# Altium PCB SJ2088POE.PcbDoc (part 1 of 6) (continued)
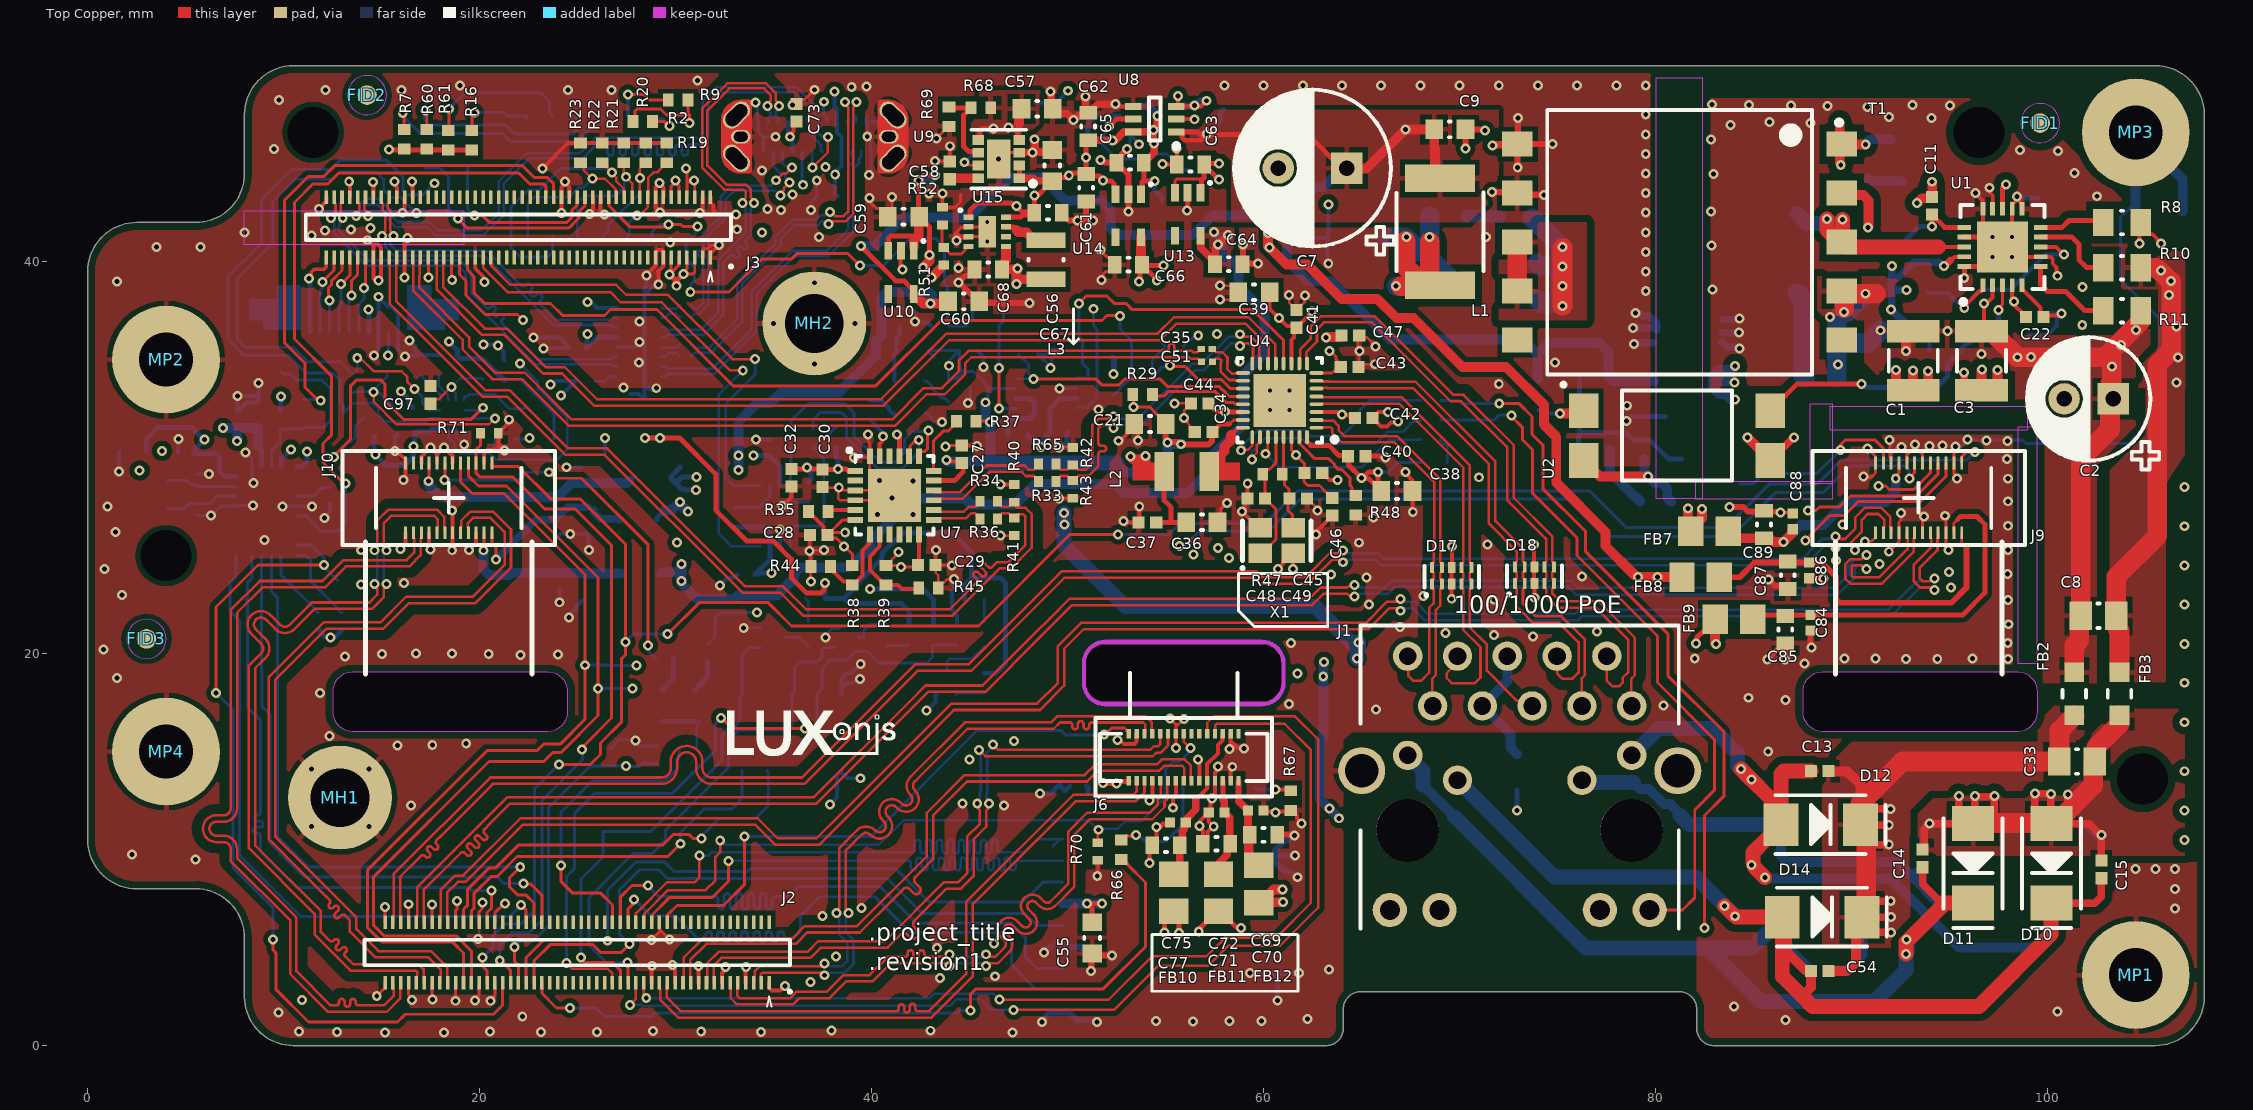
[diagram p0: Top Copper view]
## Components (designator, comment, footprint, x,y, rotation, side; value= is the part's Value field where it differs from the comment) (continued)
J3 "BW2098_B Receptacle" DF40HC-3.0-100DS-0.4V_minpad 21.975,41.75 r270 top locked
J4 "SFV10R-2STE1HLF Top Contact" SFV10R-2STE1HLF 13.6,36.9 r0 bottom
J5 "20021121-00010T1LF" 20021121-00010T1LF 35.935,15.975 r0 bottom
J6 "24-5804-030-000-829+" A12N02A-201_1.6mmbrd_MatedModule 55.923,14.712 r0 top locked
J7 "uSD push/pull" 104031-0811 55.161,7.427 r90 bottom locked
J9 "BBR43-24KB533 for camera module TG161B-201" "TG161B-201 / AN01V32 - BOARD WRAP (7MM SETBACK) MINPADS" 93.423,27.95 r0 top
J10 "BBR43-24KB533 for camera module TG161B-201" "TG161B-201 / AN01V32 - BOARD WRAP (7MM SETBACK) MINPADS" 18.423,27.95 r0 top
J14 "USB3.1 TYPEC 24P SMD Vertical" CX80B1-24P 37.1,46.378 r180 bottom locked
L1 "1uH 2.9A" DO1608C-102MLX 69,41.52 r90 top
L2 "2.2uH 0.61A 97mR" LQH32NH2R2J23L 56.075,29.3 r180 top
L3 "1uH, 3.2A, 20%" DFE252012P-1R0M=P2 48.9,40.1 r270 top
MH1 "M2, 3MM steel spacer on M2.5 mounting pad" 9774030243R 12.875,12.65 r225 top
MH2 "M2, 3MM steel spacer on M2.5 mounting pad" 9774030243R 37.075,36.85 r0 top
MP1 "MOUNTING_HOLE_M2.5" MOUNTING_HOLE_M2.5 104.5,3.6 r180 top locked
MP2 "MOUNTING_HOLE_M2.5" MOUNTING_HOLE_M2.5 4,35 r180 top locked
MP3 "MOUNTING_HOLE_M2.5" MOUNTING_HOLE_M2.5 104.5,46.6 r180 top locked
MP4 "MOUNTING_HOLE_M2.5" MOUNTING_HOLE_M2.5 4,15 r180 top locked
OS1 "25MHz OSC" ASDMB-25.000MHZ-LC-T 41.95,33.075 r270 bottom
Q1 "PREBIAS'd DDTC114YCA-7-F" DDTC114YCA-7-F 53.325,34.15 r90 bottom
Q2 "RE1C002UNTCL" RE1C002UNTCL 39.045,20.841 r90 bottom
Q3 "RE1C002UNTCL" RE1C002UNTCL 43.8,18.525 r180 bottom
Q4 "RE1C002UNTCL" RE1C002UNTCL 34.94,20.825 r90 bottom
R1 "10K 0402" RESC0402(1005)_N 43.15,20.95 r270 bottom
R2 "1K 0402" RESC0402(1005)_N 28.32,47.15 r180 top
R3 "10R 0603" RESC0603(1608)_N 90.87,43.442 r270 bottom
R4 "18K 0603" RESC0603(1608)_N 88.443,34.082 r0 bottom
R5 "6.8R 0805" RESC0805(2012)_N 69.423,42.325 r180 bottom
R6 "10K 0402" RESC0402(1005)_N 33.01,26.973 r270 bottom
R7 "1K 0402" RESC0402(1005)_N 16.15,46.25 r270 top
R8 "88.7K 0805" RESC0805(2012)_N 103.8,42 r180 top
R9 "1K 0402" RESC0402(1005)_N 30.124,48.247 r0 top
R10 "48.7R 0805" RESC0805(2012)_N 103.8,39.7 r180 top
R11 "24.3k 0805" RESC0805(2012)_N 103.8,37.5 r180 top
R12 "4.99k 0603" RESC0603(1608)_N 98.25,36.25 r0 bottom
R13 "0.62R 0805" RESC0805(2012)_N 92.91,38.635 r180 bottom
R14 "36.5k 0603" RESC0603(1608)_N 76.925,34 r0 bottom
R15 "12.1k 0603" RESC0603(1608)_N 76.9,32.25 r180 bottom
R16 "1K 0402" RESC0402(1005)_N 19.6,46.2 r270 top
R17 "0R 0603" RESC0603(1608)_N 76.875,30.4 r0 bottom
R18 "0R 0603" RESC0603(1608)_N 94.775,35.475 r0 bottom
R19 "10K 0402" RESC0402(1005)_N 29.55,45.55 r90 top
R20 "10K 0402" RESC0402(1005)_N 28.475,45.55 r90 top
R21 "10K 0402" RESC0402(1005)_N 27.35,45.55 r90 top
R22 "10K 0402" RESC0402(1005)_N 26.25,45.55 r90 top
R23 "10K 0402" RESC0402(1005)_N 25.15,45.55 r90 top
R24 "2.05k 0603" RESC0603(1608)_N 74.025,33.225 r90 bottom
R25 "10K 0402" RESC0402(1005)_N 36.925,28.225 r270 bottom
R26 "10K 0402" RESC0402(1005)_N 38.175,31.025 r90 bottom
R27 "0R 0603" RESC0603(1608)_N 45.95,37.734 r0 bottom
R28 "10K 0402" RESC0402(1005)_N 55.45,35.675 r180 bottom
R29 "10K 0402" RESC0402(1005)_N 53.825,33.225 r0 top
R30 "10K 0402" RESC0402(1005)_N 43.925,33.35 r90 bottom
R31 "10K 0402" RESC0402(1005)_N 16.975,34.725 r90 bottom
R32 "10K 0402" RESC0402(1005)_N 18.05,34.7 r90 bottom
R33 "22R 0402" RESC0402(1005)_L 48.963,28.777 r180 top
R34 "22R 0402" RESC0402(1005)_L 45.975,27.775 r180 top
R35 "10K 0402" RESC0402(1005)_N 37.275,27.25 r0 top
R36 "22R 0402" RESC0402(1005)_L 45.975,26.875 r180 top
R37 "10K 0402" RESC0402(1005)_N 44.825,31.86 r180 top
R38 "10K 0402" RESC0402(1005)_N 39.013,24.002 r270 top
R39 "10K 0402" RESC0402(1005)_N 40.738,24.002 r270 top
R40 "49.9R 0402" RESC0402(1005)_L 47.275,28.175 r90 top
R41 "49.9R 0402" RESC0402(1005)_L 47.275,26.475 r90 top
R42 "49.9R 0402" RESC0402(1005)_L 50.263,30.077 r270 top
R43 "49.9R 0402" RESC0402(1005)_L 50.263,28.377 r90 top
R44 "10K 0402" RESC0402(1005)_N 37.4,24.45 r180 top
R45 "10K 0402" RESC0402(1005)_N 42.9,23.35 r0 top
R46 "10K 0402" RESC0402(1005)_N 50.2,35.55 r0 bottom
R47 "1M 0402" RESC0402(1005)_N 60.456,29.16 r0 top
R48 "2.49K 0402" RESC0402(1005)_N 64.7,27.575 r90 top
R49 "10K 0402" RESC0402(1005)_N 48,35.275 r180 bottom
R50 "10K 0402" RESC0402(1005)_N 47.45,31.175 r0 bottom
R51 "53.6k 0402" RESC0402(1005)_L 43.675,40.275 r270 top
R52 "39.2k 0402" RESC0402(1005)_L 43.614,42.326 r270 top
R53 "1K 0402" RESC0402(1005)_N 41.9,20.925 r90 bottom
R54 "1K 0402" RESC0402(1005)_N 45.75,18.5 r90 bottom
R55 "1K 0402" RESC0402(1005)_N 45.25,22.75 r180 bottom
R56 "1K 0402" RESC0402(1005)_N 37.125,22.825 r0 bottom
R57 "470R 0402" RESC0402(1005)_N 68.525,30.925 r0 bottom
R58 "470R 0402" RESC0402(1005)_N 68.525,31.925 r0 bottom
R59 "470R 0402" RESC0402(1005)_N 68.525,32.925 r0 bottom
R60 "1K 0402" RESC0402(1005)_N 17.3,46.25 r270 top
R61 "1K 0402" RESC0402(1005)_N 18.4,46.2 r270 top
R62 "10K 0402" RESC0402(1005)_N 44.35,20.95 r90 bottom
R63 "10K 0402" RESC0402(1005)_N 43.493,36.75 r180 bottom
R64 "22R 0402" RESC0402(1005)_N 39.927,32.417 r90 bottom
R65 "22R 0402" RESC0402(1005)_L 48.963,29.677 r180 top
R66 "0R 0402" RESC0402(1005)_N 52.736,9.997 r270 top
R67 "0R 0402" RESC0402(1005)_N 61.386,12.501 r90 top
R68 "121K 0402" RESC0402(1005)_N 45.575,47.85 r180 top
R69 "39.2k 0402" RESC0402(1005)_N 43.95,47.4 r270 top
R70 "10K 0402" RESC0402(1005)_L 51.539,9.904 r270 top
R71 "10K 0402" RESC0402(1005)_L 20.5,31.25 r0 top
R72 "0R 0402" RESC0402(1005)_L 29.45,19.725 r0 bottom
R75 "0R 0603" RESC0603(1608)_N 29.611,17.342 r90 bottom
R77 "0R 0603" RESC0603(1608)_N 31.236,17.333 r90 bottom
R80 "10K 0402" RESC0402(1005)_L 30.631,15.218 r0 bottom
R81 "10K 0402" RESC0402(1005)_L 29.296,14.818 r90 bottom
R82 "0R 0402" RESC0402(1005)_L 31.625,20.05 r270 bottom
R83 "10K 0402" RESC0402(1005)_L 9.825,31.95 r90 bottom
R84 "0R 0603" RESC0603(1608)_L 11,32.25 r90 bottom
R85 "2.2K 0402" RESC0402(1005)_L 12.975,21.65 r90 bottom
R86 "2.2K 0402" RESC0402(1005)_L 11.775,21.65 r90 bottom
R183 "10K 0402" RESC0402(1005)_N 21.264,34.49 r270 bottom
R185 "10K 0402" RESC0402(1005)_N 25.375,33.9 r180 bottom
R186 "10K 0402" RESC0402(1005)_N 21.284,31.111 r0 bottom
R187 "1.8MR 0402" RESC0402(1005)_N 19.058,34.552 r270 bottom
R190 "1.8MR 0402" RESC0402(1005)_N 20.164,34.49 r270 bottom
R213 "10K 0402" RESC0402(1005)_N 14.125,31.15 r0 bottom
R214 "10K 0402" RESC0402(1005)_N 16.079,32.572 r0 bottom
RZ1 "0R 0402" RESC0402(1005)_N 35.875,30.975 r90 bottom
RZ2 "0R 0402" RESC0402(1005)_N 37.014,30.975 r90 bottom
RZ28 "10K 0402" RESC0402(1005)_N 13.55,32.225 r180 bottom
RZ29 "10K 0402" RESC0402(1005)_N 13.505,33.78 r90 bottom
SW1 "A6H-6102 DIP SW" A6H-610x 25.625,44.35 r90 bottom locked
T1 "749119950" 749119950 81.225,41 r270 top locked
TP1 "TP100_200_NS" TP100_200_NS 17.2,44.775 r90 bottom
TP2 "TP100_200_NS" TP100_200_NS 19.375,44.825 r90 bottom
TP3 "TP100_200_NS" TP100_200_NS 57.95,47.775 r90 bottom
TP4 "TP100_200_NS" TP100_200_NS 47.389,42.824 r90 bottom
TP5 "TP100_200_NS" TP100_200_NS 103.75,35.75 r180 bottom
TP6 "TP100_200_NS" TP100_200_NS 67.246,46.746 r90 bottom
TP8 "TP100_200_NS" TP100_200_NS 90.5,40.5 r90 bottom
TP9 "TP100_200_NS" TP100_200_NS 74.75,46 r90 bottom
TP10 "TP100_200_NS" TP100_200_NS 95.752,37.627 r180 bottom
TP11 "TP100_200_NS" TP100_200_NS 100.707,37.385 r0 bottom
TP12 "TP100_200_NS" TP100_200_NS 92,46.25 r90 bottom
TP13 "TP100_200_NS" TP100_200_NS 99.5,43.25 r180 bottom
TP14 "TP100_200_NS" TP100_200_NS 45.559,45.755 r90 bottom
TP15 "TP100_200_NS" TP100_200_NS 54.825,43.131 r90 bottom
TP16 "TP100_200_NS" TP100_200_NS 43.075,38.3 r270 bottom
TP17 "TP100_200_NS" TP100_200_NS 56.234,44.67 r90 bottom
TP18 "TP100_200_NS" TP100_200_NS 84.317,28.664 r90 bottom
TP19 "TP100_200_NS" TP100_200_NS 12.75,26.25 r270 bottom
TP20 "TP100_200_NS" TP100_200_NS 48.339,48.134 r0 bottom
TP21 "TP100_200_NS" TP100_200_NS 51,46.25 r90 bottom
TP22 "TP100_200_NS" TP100_200_NS 59.388,38.088 r180 bottom
TP23 "TP100_200_NS" TP100_200_NS 54.945,39.825 r180 bottom
TP24 "TP100_200_NS" TP100_200_NS 47.425,39.65 r0 bottom
TP25 "TP100_200_NS" TP100_200_NS 12.75,23.75 r270 bottom
TP26 "TP100_200_NS" TP100_200_NS 9.825,34.425 r0 bottom locked
TP27 "TP100_200_NS" TP100_200_NS 8.05,22.775 r180 bottom
TP28 "TP100_200_NS" TP100_200_NS 10.803,6.659 r180 bottom
TP29 "TP100_200_NS" TP100_200_NS 9.675,21.075 r180 bottom
TP30 "TP100_200_NS" TP100_200_NS 8.9,19 r180 bottom
TP40 "TP100_200_NS" TP100_200_NS 23.8,30.95 r0 bottom
TP41 "TP100_200_NS" TP100_200_NS 25.475,38 r180 bottom
TP42 "TP100_200_NS" TP100_200_NS 22.35,32.575 r180 bottom
TP43 "TP100_200_NS" TP100_200_NS 15.128,34.194 r180 bottom
TP44 "TP100_200_NS" TP100_200_NS 12.571,30.038 r180 bottom
U1 "SI3404-A-GM" SI3404-A-GM 97.7,40.75 r90 top
U2 "VO618A-3X017T" VO618A-3X017T 81.098,31.125 r0 top
U3 "TXS0102DCU" TXS0102DCUR 35.073,27.025 r90 bottom
U4 "RTL8111HS-CG" RTL8111HX-CG 60.823,32.925 r180 top
U5 "TLV431" TLV431BCDBZR 80.375,31.025 r90 bottom
U6 "TXS0102DCU" TXS0102DCUR 48.925,33.275 r180 bottom
U7 "SI52142-A01AGM" SI52142-A01AGM 41.163,28.077 r0 top
U8 "1.5A ideal diode" LM66100DCKR 54.445,47.275 r180 top
U9 "TPS82130SIL" TPS82130SIL 46.485,45.233 r180 top
U10 "TLV70018DCK" TLV70018DCK 41.5,39.45 r180 top
U11 "1.5A ideal diode" LM66100DCKR 54.445,47.275 r180 bottom
U12 "BNO085" BNO085 9.125,27.288 r180 bottom
U13 "TLV70012DCK" TLV70012DCK 56.125,42.425 r180 top
U14 "TLV70028DCK" TLV70028DCK 53.1,42.35 r180 top
U15 "TLV62080DSG" TLV62080DSG 45.9,41.525 r0 top
U61 "USB Type-C Switch" HD3SS3212RKSR 28.15,35.898 r0 bottom
U62 "USB Type-C Port Control" TUSB321RWBR 18.615,32.215 r270 bottom
X1 "25MHz 18pF 2.50x2.00mm" ECS-250-18-36B-CKY-TR 60.673,25.775 r0 top
Y1 "ABS06-127-32.768KHZ-T" ABS06-127-32.768KHZ-T 4.043,28.099 r270 bottom

## Footprints (in the part's own frame and the unit in brackets; to place one, negate y for a bottom-side part, rotate by r counter-clockwise, add the part's x,y. Pads: shape width x height; smd on the part's side, far side on the other; paste and mask are expansions set on the pad)
1N4148W-7-F [mm] "SOD123, 2-Leads, Body 2.7x1.55mm, Height 1.45mm"
  rect 0.9x0.95 smd: 1(-1.575,0) 2(1.575,0)
  silkscreen extent -2.4,-0.87 0,0.87, body extent -1.35,-0.77 1.35,0.77, height 1.45
104031-0811 [mm] "10 (8 + 2) Position Card Connector Secure Digital - microSD™ Surface Mount, Right Angle Gold"
  rect 0.85x1.1 smd: 1(3.113,-5.412) 3(0.913,-5.412) 4(-0.188,-5.412) 5(-1.288,-5.412) 6(-2.387,-5.412) 7(-3.487,-5.412)
  rect 0.875x1.1 smd: 2(2.013,-5.412)
  rect 0.75x1.1 smd: 8(-4.537,-5.412)
  rect 1.2x1 smd: 9(5.748,0.738) 10(5.748,4.438)
  rect 1.9x1.35 smd: 11(2.248,5.413) 12(-3.722,5.413)
  rect 1.17x1.8 smd: 13(-5.747,-5.062)
  rect 1.55x1.35 smd: 14(5.573,-5.287)
  body extent -5.95,-5.65 6,5.75, height 1.44
20021121-00010T1LF [mm] "Connector Header Surface Mount 10 position 0.050\" (1.27mm)   Contact length: 0.120\" (3.05mm)"
  rect 0.76x2.4 smd: 1(-2.54,-1.95) 2(-2.54,1.95) 3(-1.27,-1.95) 4(-1.27,1.95) 5(0,-1.95) 6(0,1.95) 7(1.27,-1.95) 8(1.27,1.95) 9(2.54,-1.95) 10(2.54,1.95)
  body extent -3.18,-2.75 3.17,2.75, height 4.55
742792040 [mm] "Chip Inductor, 2-Leads, Body 2.0x1.2mm"
  rect 1x1 smd: 1(-1.1,0) 2(1.1,0)
  silkscreen extent -0.2,-0.6 0.2,0.6, body extent -1,-0.6 1,0.6, height 0.89
749119950 [mm] "SMD, 10-Leads, Body 13.5x14.0mm (max), Pitch 2.48mm, IPC Medium Density"
  rect 1.27x1.55 smd: 1(-5,8.275) 2(-2.5,8.275) 3(0,8.275) 4(2.5,8.275) 5(5,8.275) 6(5,-8.275) 7(2.5,-8.275) 8(0,-8.275) 9(-2.5,-8.275) 10(-5,-8.275)
  silkscreen extent -6.75,-6.75 6.75,8.25, body extent -6.75,-8.88 6.75,8.87, height 12.6
2508056017Y2 [mm] "2508056017Y2 Chip Inductor, 2-Leads, Body 2.00x1.25mm"
  rect 1.3x1.5 smd: 1(-0.95,0) 2(0.95,0)
  body extent -1.1,-0.72 1.1,0.72, height 1.1
9774030243R [mm] "STANDOFF_M2X0.4_3MM with no pad on bottom of PCB"
  round 5.3 / inner round 2.7 / far side round 2.7 hole 3 mask+0.05: 1(0,0)
  body extent -2.17,-2.17 2.18,2.17, height 3.05
A6H-610x [mm] "DIP Sw, Std/SealTape Body 8.85x4.50mm, Pitch 1.27mm, IPC High Density"
  rect 1.25x0.76 smd: 1(-3.075,3.175) 2(-3.075,1.905) 3(-3.075,0.635) 4(-3.075,-0.635) 5(-3.075,-1.905) 6(-3.075,-3.175) 7(3.075,-3.175) 8(3.075,-1.905) 9(3.075,-0.635) 10(3.075,0.635) 11(3.075,1.905) 12(3.075,3.175)
  silkscreen extent -3.12,-4.55 2.02,4.55, body extent -3.35,-4.42 3.35,4.42, height 1.57
A12N02A-201_1.6mmbrd_MatedModule [mm] "connector: 24-5804-030-000-829+ (1.4mm height w/ module mated)"
  rect 0.22x0.5 smd mask+0.05: 1(-2.8,-1.2) 2(-2.4,-1.2) 3(-2,-1.2) 4(-1.6,-1.2) 5(-1.2,-1.2) 6(-0.8,-1.2) 7(-0.4,-1.2) 8(0,-1.2) 9(0.4,-1.2) 10(0.8,-1.2) 11(1.2,-1.2) 12(1.6,-1.2) 13(2,-1.2) 14(2.4,-1.2) 15(2.8,-1.2) 16(2.8,1.2) 17(2.4,1.2) 18(2,1.2) 19(1.6,1.2) 20(1.2,1.2) 21(0.8,1.2) 22(0.4,1.2) 23(0,1.2) 24(-0.4,1.2) 25(-0.8,1.2) 26(-1.2,1.2) 27(-1.6,1.2) 28(-2,1.2) 29(-2.4,1.2) 30(-2.8,1.2)
  Bottom Copper keep-out region: -4.999,16.237 4.999,16.237 4.999,6.239 -4.999,6.239
  Keep-Out Layer board cut-out: -5,4.8 -4.924,5.183 -4.707,5.507 -4.383,5.724 -4,5.8 -4,5.8 4,5.8 4.383,5.724 4.707,5.507 4.924,5.183 5,4.8 5,4.8 5,3.8 4.924,3.417 4.707,3.093 4.383,2.876 4,2.8 4,2.8 -4,2.8 -4.383,2.876 -4.707,3.093 -4.924,3.417 -5,3.8 -5,3.8
  Keep-Out Layer lines w0.2: -5.1,3.8 ccw(c-4,3.8) -4,2.7 0,2.7 4,2.7 ccw(c4,3.8) 5.1,3.8 5.1,4.8 ccw(c4,4.8) 4,5.9 -4,5.9 ccw(c-4,4.8) -5.1,4.8 -5.1,3.8
  silkscreen extent -4.5,-2 4.5,4.3, body extent -5,-2 5,16.24, height 6.18
ABS06-127-32.768KHZ-T [mm] "2-SMD 0.079\" L x 0.047\" W (2.00mm x 1.20mm)"
  rect 0.75x1.4 smd: 1(-0.73,0) 2(0.73,0)
  body extent -1,-0.6 1,0.6, height 0.65
ASDMB-25.000MHZ-LC-T [mm] "0.098\" L x 0.079\" W (2.50mm x 2.00mm)"
  rect 0.65x0.85 smd: 1(-0.825,-0.775) 2(0.825,-0.775) 3(0.825,0.775) 4(-0.825,0.775)
  silkscreen extent -1.53,-1.44 1.5,1, body extent -1.25,-1 1.25,1, height 0.86
BK1608HS800-T_N [mm] "Chip Inductor, 2-Leads, Body 1.60x0.80mm, IPC Medium Density"
  rect 0.92x0.98 smd: 1(-0.79,0) 2(0.79,0)
  body extent -0.88,-0.48 0.87,0.47, height 0.95
BNO085 [mm] "28-TFLGA Module (5.2x3.8)"
  rect 0.675x0.25 smd paste+0 mask+0: 1(1.562,2.25) 6(-1.562,2.25) 7(-1.562,1.75) 8(-1.562,1.25) 9(-1.562,0.75) 10(-1.562,0.25) 11(-1.562,-0.25) 12(-1.562,-0.75) 13(-1.562,-1.25) 14(-1.562,-1.75) 15(-1.562,-2.25) 20(1.562,-2.25) 21(1.562,-1.75) 22(1.562,-1.25) 23(1.562,-0.75) 24(1.562,-0.25) 25(1.562,0.25) 26(1.562,0.75) 27(1.562,1.25) 28(1.562,1.75)
  rect 0.25x0.575 smd paste+0 mask+0: 2(0.75,2.312) 3(0.25,2.312) 4(-0.25,2.312) 5(-0.75,2.312) 16(-0.75,-2.312) 17(-0.25,-2.312) 18(0.25,-2.312) 19(0.75,-2.312)
  silkscreen extent -2.3,-3.08 3.05,3.08, body extent -1.9,-2.6 1.9,2.6, height 1.18
CAPC0201(0603)33_L [mm] "Chip Capacitor, Body 0.6x0.3mm, Height 0.33mm, IPC High Density"
  rect 0.36x0.32 smd: 1(-0.28,0) 2(0.28,0)
  body extent -0.32,-0.17 0.32,0.17, height 0.33
CAPC0402(1005)60_N [mm] "Chip Capacitor, Body 1.0x0.5mm, Height 0.6mm, IPC Medium Density"
  rect 0.62x0.62 smd: 1(-0.45,0) 2(0.45,0)
  body extent -0.55,-0.3 0.55,0.3, height 0.6
CAPC0402(1005)70_L [mm] "Chip Capacitor, Body 1.0x0.5mm, Height 0.7mm, IPC High Density"
  rect 0.52x0.52 smd: 1(-0.4,0) 2(0.4,0)
  body extent -0.55,-0.3 0.55,0.3, height 0.7
CAPC0402(1005)70_N [mm] "Chip Capacitor, Body 1.0x0.5mm, Height 0.7mm, IPC Medium Density"
  rect 0.62x0.62 smd: 1(-0.45,0) 2(0.45,0)
  body extent -0.55,-0.3 0.55,0.3, height 0.7
CAPC0603(1608)100_L [mm] "Chip Capacitor, Body 1.6x0.8mm, Height 1.0mm, IPC High Density"
  rect 0.7x0.9 smd: 1(-0.7,0) 2(0.7,0)
  silkscreen extent -0.05,-0.35 0.05,0.35, body extent -0.87,-0.47 0.88,0.48, height 1
CAPC0603(1608)100_N [mm] "Chip Capacitor, Body 1.6x0.8mm, Height 1.0mm, IPC Medium Density"
  rect 0.9x1 smd: 1(-0.8,0) 2(0.8,0)
  silkscreen extent -0.05,-0.4 0.05,0.4, body extent -0.87,-0.48 0.88,0.47, height 1
CAPC0805(2012)145_N [mm] "Chip Capacitor, Body 2.0x1.2mm, Height 1.45mm, IPC Medium Density"
  rect 1.15x1.45 smd: 1(-0.9,0) 2(0.9,0)
  silkscreen extent -0.05,-0.62 0.05,0.63, body extent -1.1,-0.72 1.1,0.73, height 1.45
CAPC1206(3216)190_N [mm] "Chip Capacitor, Body 3.2x1.6mm, Height 1.9mm, IPC Medium Density"
  rect 1.15x1.8 smd: 1(-1.5,0) 2(1.5,0)
  silkscreen extent -0.55,-0.8 0.55,0.8, body extent -1.7,-0.9 1.7,0.9, height 1.9
CAPC1210(3225)280_N [mm] "Chip Capacitor, Body 3.2x2.5mm, Height 2.8mm, IPC Medium Density"
  rect 1.15x2.7 smd: 1(-1.5,0) 2(1.5,0)
  silkscreen extent -0.55,-1.25 0.55,1.25, body extent -1.7,-1.4 1.7,1.4, height 2.8
CX80B1-24P [mm] "USB3.1 Type-C Molex SMT, Through Hole, Vertical"
  rect 0.3x0.75 smd: A1(-2.625,0.755) A2(-2.125,0.755) A3(-1.625,0.755) A4(-1.125,0.755) A5(-0.625,0.755) A6(-0.125,0.755) A7(0.375,0.755) A8(0.875,0.755) A9(1.375,0.755) A10(1.875,0.755) A11(2.375,0.755) A12(2.875,0.755) B1(2.625,-0.755) B2(2.125,-0.755) B3(1.625,-0.755) B4(1.125,-0.755) B5(0.625,-0.755) B6(0.125,-0.755) B7(-0.375,-0.755) B8(-0.875,-0.755) B9(-1.375,-0.755) B10(-1.875,-0.755) B11(-2.375,-0.755) B12(-2.875,-0.755)
  oval 1.6x0.9 hole 0.7 slot 1.3 at 45 deg rot 45: SH1(-3.995,1.1) SH4(3.995,-1.1)
  oval 1.6x0.9 hole 0.7 slot 1.3 at 135 deg rot 135: SH2(3.995,1.1) SH3(-3.995,-1.1)
  oval 1x0.7 hole 0.5 slot 0.7 at 0 deg: SH5(-3.775,0) SH6(3.775,0)
  Top Copper region: -3.32,1.874 -3.315,1.874 -3.309,1.873 -3.304,1.872 -3.299,1.871 -3.294,1.87 -3.289,1.868 -3.284,1.866 -3.28,1.864 -3.275,1.861 -3.271,1.858 -3.266,1.855 -3.262,1.852 -3.258,1.849 -3.254,1.845 -3.251,1.841 -3.247,1.837 -3.244,1.833 -3.241,1.829 -3.238,1.825 -3.236,1.82 -3.234,1.815 -3.232,1.81 -3.23,1.805 -3.228,1.8 -3.227,1.795 -3.226,1.79 -3.226,1.785 -3.225,1.78 -3.225,1.775 -3.225,-1.775 -3.225,-1.781 -3.226,-1.786 -3.226,-1.791 -3.227,-1.796 -3.228,-1.801 -3.23,-1.806 -3.232,-1.811 -3.234,-1.816 -3.236,-1.821 -3.238,-1.825 -3.241,-1.83 -3.244,-1.834 -3.247,-1.838 -3.251,-1.842 -3.254,-1.846 -3.258,-1.85 -3.262,-1.853 -3.266,-1.856 -3.271,-1.859 -3.275,-1.862 -3.28,-1.865 -3.284,-1.867 -3.289,-1.869 -3.294,-1.871 -3.299,-1.872 -3.304,-1.873 -3.309,-1.874 -3.315,-1.875 -3.32,-1.875 -3.325,-1.875 -3.775,-1.875 -3.827,-1.874 -3.88,-1.87 -3.931,-1.863 -3.983,-1.854 -4.034,-1.841 -4.084,-1.827 -4.133,-1.809 -4.182,-1.789 -4.229,-1.766 -4.275,-1.742 -4.32,-1.714 -4.363,-1.685 -4.404,-1.653 -4.444,-1.619 -4.482,-1.583 -4.518,-1.545 -4.552,-1.505 -4.584,-1.463 -4.614,-1.42 -4.641,-1.375 -4.666,-1.329 -4.689,-1.282 -4.709,-1.234 -4.726,-1.185 -4.741,-1.134 -4.753,-1.083 -4.763,-1.032 -4.77,-0.98 -4.774,-0.928 -4.775,-0.875 -4.775,0.875 -4.774,0.927 -4.77,0.979 -4.763,1.031 -4.753,1.082 -4.741,1.133 -4.726,1.184 -4.709,1.233 -4.689,1.281 -4.666,1.329 -4.641,1.375 -4.614,1.419 -4.584,1.462 -4.552,1.504 -4.518,1.544 -4.482,1.582 -4.444,1.618 -4.404,1.652 -4.363,1.684 -4.32,1.713 -4.275,1.741 -4.229,1.766 -4.182,1.788 -4.133,1.808 -4.084,1.826 -4.034,1.84 -3.983,1.853 -3.931,1.862 -3.88,1.869 -3.827,1.873 -3.775,1.875 -3.325,1.875
  Top Copper region: 3.827,1.873 3.88,1.869 3.931,1.862 3.983,1.853 4.034,1.84 4.084,1.826 4.133,1.808 4.182,1.788 4.229,1.766 4.275,1.741 4.32,1.713 4.363,1.684 4.404,1.652 4.444,1.618 4.482,1.582 4.518,1.544 4.552,1.504 4.584,1.462 4.614,1.419 4.641,1.375 4.666,1.329 4.689,1.281 4.709,1.233 4.726,1.184 4.741,1.133 4.753,1.082 4.763,1.031 4.77,0.979 4.774,0.927 4.775,0.875 4.775,-0.875 4.774,-0.928 4.77,-0.98 4.763,-1.032 4.753,-1.083 4.741,-1.134 4.726,-1.185 4.709,-1.234 4.689,-1.282 4.666,-1.329 4.641,-1.375 4.614,-1.42 4.584,-1.463 4.552,-1.505 4.518,-1.545 4.482,-1.583 4.444,-1.619 4.404,-1.653 4.363,-1.685 4.32,-1.714 4.275,-1.742 4.229,-1.766 4.182,-1.789 4.133,-1.809 4.084,-1.827 4.034,-1.841 3.983,-1.854 3.931,-1.863 3.88,-1.87 3.827,-1.874 3.775,-1.875 3.325,-1.875 3.32,-1.875 3.315,-1.875 3.309,-1.874 3.304,-1.873 3.299,-1.872 3.294,-1.871 3.289,-1.869 3.284,-1.867 3.28,-1.865 3.275,-1.862 3.271,-1.859 3.266,-1.856 3.262,-1.853 3.258,-1.85 3.254,-1.846 3.251,-1.842 3.247,-1.838 3.244,-1.834 3.241,-1.83 3.238,-1.825 3.236,-1.821 3.234,-1.816 3.232,-1.811 3.23,-1.806 3.228,-1.801 3.227,-1.796 3.226,-1.791 3.226,-1.786 3.225,-1.781 3.225,-1.775 3.225,1.775 3.225,1.78 3.226,1.785 3.226,1.79 3.227,1.795 3.228,1.8 3.23,1.805 3.232,1.81 3.234,1.815 3.236,1.82 3.238,1.825 3.241,1.829 3.244,1.833 3.247,1.837 3.251,1.841 3.254,1.845 3.258,1.849 3.262,1.852 3.266,1.855 3.271,1.858 3.275,1.861 3.28,1.864 3.284,1.866 3.289,1.868 3.294,1.87 3.299,1.871 3.304,1.872 3.309,1.873 3.315,1.874 3.32,1.874 3.325,1.875 3.775,1.875
  Bottom Copper region: 3.827,1.873 3.88,1.869 3.931,1.862 3.983,1.853 4.034,1.84 4.084,1.826 4.133,1.808 4.182,1.788 4.229,1.766 4.275,1.741 4.32,1.713 4.363,1.684 4.404,1.652 4.444,1.618 4.482,1.582 4.518,1.544 4.552,1.504 4.584,1.462 4.614,1.419 4.641,1.375 4.666,1.329 4.689,1.281 4.709,1.233 4.726,1.184 4.741,1.133 4.753,1.082 4.763,1.031 4.77,0.979 4.774,0.927 4.775,0.875 4.775,-0.875 4.774,-0.928 4.77,-0.98 4.763,-1.032 4.753,-1.083 4.741,-1.134 4.726,-1.185 4.709,-1.234 4.689,-1.282 4.666,-1.329 4.641,-1.375 4.614,-1.42 4.584,-1.463 4.552,-1.505 4.518,-1.545 4.482,-1.583 4.444,-1.619 4.404,-1.653 4.363,-1.685 4.32,-1.714 4.275,-1.742 4.229,-1.766 4.182,-1.789 4.133,-1.809 4.084,-1.827 4.034,-1.841 3.983,-1.854 3.931,-1.863 3.88,-1.87 3.827,-1.874 3.775,-1.875 3.325,-1.875 3.32,-1.875 3.315,-1.875 3.309,-1.874 3.304,-1.873 3.299,-1.872 3.294,-1.871 3.289,-1.869 3.284,-1.867 3.28,-1.865 3.275,-1.862 3.271,-1.859 3.266,-1.856 3.262,-1.853 3.258,-1.85 3.254,-1.846 3.251,-1.842 3.247,-1.838 3.244,-1.834 3.241,-1.83 3.238,-1.825 3.236,-1.821 3.234,-1.816 3.232,-1.811 3.23,-1.806 3.228,-1.801 3.227,-1.796 3.226,-1.791 3.226,-1.786 3.225,-1.781 3.225,-1.775 3.225,1.775 3.225,1.78 3.226,1.785 3.226,1.79 3.227,1.795 3.228,1.8 3.23,1.805 3.232,1.81 3.234,1.815 3.236,1.82 3.238,1.825 3.241,1.829 3.244,1.833 3.247,1.837 3.251,1.841 3.254,1.845 3.258,1.849 3.262,1.852 3.266,1.855 3.271,1.858 3.275,1.861 3.28,1.864 3.284,1.866 3.289,1.868 3.294,1.87 3.299,1.871 3.304,1.872 3.309,1.873 3.315,1.874 3.32,1.874 3.325,1.875 3.775,1.875
  Bottom Copper region: -3.32,1.874 -3.315,1.874 -3.309,1.873 -3.304,1.872 -3.299,1.871 -3.294,1.87 -3.289,1.868 -3.284,1.866 -3.28,1.864 -3.275,1.861 -3.271,1.858 -3.266,1.855 -3.262,1.852 -3.258,1.849 -3.254,1.845 -3.251,1.841 -3.247,1.837 -3.244,1.833 -3.241,1.829 -3.238,1.825 -3.236,1.82 -3.234,1.815 -3.232,1.81 -3.23,1.805 -3.228,1.8 -3.227,1.795 -3.226,1.79 -3.226,1.785 -3.225,1.78 -3.225,1.775 -3.225,-1.775 -3.225,-1.781 -3.226,-1.786 -3.226,-1.791 -3.227,-1.796 -3.228,-1.801 -3.23,-1.806 -3.232,-1.811 -3.234,-1.816 -3.236,-1.821 -3.238,-1.825 -3.241,-1.83 -3.244,-1.834 -3.247,-1.838 -3.251,-1.842 -3.254,-1.846 -3.258,-1.85 -3.262,-1.853 -3.266,-1.856 -3.271,-1.859 -3.275,-1.862 -3.28,-1.865 -3.284,-1.867 -3.289,-1.869 -3.294,-1.871 -3.299,-1.872 -3.304,-1.873 -3.309,-1.874 -3.315,-1.875 -3.32,-1.875 -3.325,-1.875 -3.775,-1.875 -3.827,-1.874 -3.88,-1.87 -3.931,-1.863 -3.983,-1.854 -4.034,-1.841 -4.084,-1.827 -4.133,-1.809 -4.182,-1.789 -4.229,-1.766 -4.275,-1.742 -4.32,-1.714 -4.363,-1.685 -4.404,-1.653 -4.444,-1.619 -4.482,-1.583 -4.518,-1.545 -4.552,-1.505 -4.584,-1.463 -4.614,-1.42 -4.641,-1.375 -4.666,-1.329 -4.689,-1.282 -4.709,-1.234 -4.726,-1.185 -4.741,-1.134 -4.753,-1.083 -4.763,-1.032 -4.77,-0.98 -4.774,-0.928 -4.775,-0.875 -4.775,0.875 -4.774,0.927 -4.77,0.979 -4.763,1.031 -4.753,1.082 -4.741,1.133 -4.726,1.184 -4.709,1.233 -4.689,1.281 -4.666,1.329 -4.641,1.375 -4.614,1.419 -4.584,1.462 -4.552,1.504 -4.518,1.544 -4.482,1.582 -4.444,1.618 -4.404,1.652 -4.363,1.684 -4.32,1.713 -4.275,1.741 -4.229,1.766 -4.182,1.788 -4.133,1.808 -4.084,1.826 -4.034,1.84 -3.983,1.853 -3.931,1.862 -3.88,1.869 -3.827,1.873 -3.775,1.875 -3.325,1.875
  silkscreen extent -6,-2.5 6,2.5, body extent -5.5,-3.37 5.5,3.63, height 7.17
DDTC114YCA-7-F [mm] "TO-236-3, SC-59, SOT-23-3"
  rect 0.8x0.9 smd: 1(-0.95,-1) 2(0.95,-1) 3(0,1)
  silkscreen extent -1.46,0 1.46,0.69, body extent -1.5,-1.1 1.5,1.1, height 1.1
DF40HC-3.0-100DS-0.4V_minpad [mm] "3.0MM MATED HEIGHT CONN HDR 100POS 0.4MM SMD GOLD"
  rect 0.7x0.18 smd: 1(1.54,9.8) 2(-1.54,9.8) 3(1.54,9.4) 4(-1.54,9.4) 5(1.54,9) 6(-1.54,9) 7(1.54,8.6) 8(-1.54,8.6) 9(1.54,8.2) 10(-1.54,8.2) 11(1.54,7.8) 12(-1.54,7.8) 13(1.54,7.4) 14(-1.54,7.4) 15(1.54,7) 16(-1.54,7) 17(1.54,6.6) 18(-1.54,6.6) 19(1.54,6.2) 20(-1.54,6.2) 21(1.54,5.8) 22(-1.54,5.8) 23(1.54,5.4) 24(-1.54,5.4) 25(1.54,5) 26(-1.54,5) 27(1.54,4.6) 28(-1.54,4.6) 29(1.54,4.2) 30(-1.54,4.2) 31(1.54,3.8) 32(-1.54,3.8) 33(1.54,3.4) 34(-1.54,3.4) 35(1.54,3) 36(-1.54,3) 37(1.54,2.6) 38(-1.54,2.6) 39(1.54,2.2) 40(-1.54,2.2) 41(1.54,1.8) 42(-1.54,1.8) 43(1.54,1.4) 44(-1.54,1.4) 45(1.54,1) 46(-1.54,1) 47(1.54,0.6) 48(-1.54,0.6) 49(1.54,0.2) 50(-1.54,0.2) 51(1.54,-0.2) 52(-1.54,-0.2) 53(1.54,-0.6) 54(-1.54,-0.6) 55(1.54,-1) 56(-1.54,-1) 57(1.54,-1.4) 58(-1.54,-1.4) 59(1.54,-1.8) 60(-1.54,-1.8) 61(1.54,-2.2) 62(-1.54,-2.2) 63(1.54,-2.6) 64(-1.54,-2.6) 65(1.54,-3) 66(-1.54,-3) 67(1.54,-3.4) 68(-1.54,-3.4) 69(1.54,-3.8) 70(-1.54,-3.8) 71(1.54,-4.2) 72(-1.54,-4.2) 73(1.54,-4.6) 74(-1.54,-4.6) 75(1.54,-5) 76(-1.54,-5) 77(1.54,-5.4) 78(-1.54,-5.4) 79(1.54,-5.8) 80(-1.54,-5.8) 81(1.54,-6.2) 82(-1.54,-6.2) 83(1.54,-6.6) 84(-1.54,-6.6) 85(1.54,-7) 86(-1.54,-7) 87(1.54,-7.4) 88(-1.54,-7.4) 89(1.54,-7.8) 90(-1.54,-7.8) 91(1.54,-8.2) 92(-1.54,-8.2) 93(1.54,-8.6) 94(-1.54,-8.6) 95(1.54,-9) 96(-1.54,-9) 97(1.54,-9.4) 98(-1.54,-9.4) 99(1.54,-9.8) 100(-1.54,-9.8)
  silkscreen extent -0.65,-10.85 2.75,10.88, body extent -1.69,-11.31 1.69,11.29, height 2.85
DFE252012P-1R0M=P2 [mm] "Chip Inductor, 2-Leads, Body 2.40x2.00mm, IPC High Density"
  rect 0.8x2 smd: 1(-1,0) 2(1,0)
  silkscreen extent -0.05,-0.9 0.05,0.9, body extent -1.25,-1.1 1.25,1.1, height 1.2
DO1608C-102MLX [mm] "Coil inductor 6.6x4.45mm"
  rect 1.4x3.56 smd: 1(-2.73,0) 2(2.73,0)
  silkscreen extent -2.01,-2.22 2.01,2.22, body extent -3.3,-2.22 3.3,2.23, height 2.92
DTSM-32N-V [mm] "tactile button 160gf"
  rect 2x1.5 smd: 1(-2.7,0) 2(2.7,0)
  silkscreen extent -3.01,-1.76 3,1.75, body extent -3.65,-1.75 3.65,1.75, height 5
ECA-0JM102 [mm] "Body diameter: 8mm, lead pitch: 3.5mm"
  rect 1.6x1.6 / inner round 1.6 / far side rect 1.6x1.6 hole 0.8 mask+0.05: 1(-1.75,0)
  round 1.6 hole 0.8 mask+0.05: 2(1.75,0)
  silkscreen extent -4.15,-4 4,4.4, body extent -4,-4 4,4, height 12.5
ECS-250-18-36B-CKY-TR [mm] "2.5x2.0mm ceramic SMD"
  rect 1.2x1 smd: 1(-0.85,-0.65) 2(0.85,-0.65) 3(0.85,0.65) 4(-0.85,0.65)
  silkscreen extent -1.77,-1.44 1.75,0.99, body extent -1.3,-1.05 1.3,1.05, height 0.6
EEU-FC2A120 [mm] "Body diameter: 6.3mm, lead pitch: 2.5mm"
  rect 1.6x1.6 / inner round 1.6 / far side rect 1.6x1.6 hole 0.8 mask+0.05: 1(-1.25,0)
  round 1.6 hole 0.8 mask+0.05: 2(1.25,0)
  silkscreen extent -3.6,-3.15 3.15,3.6, body extent -3.15,-3.15 3.15,3.15, height 12
FIDUCIAL_ROUND_1MM [mm] "Round, 1mm dia"
  round 1 smd paste-1 mask+0.5: 1(0,0)
  Top Copper keep-out circle w0.025: c0,0 r1